# KiCad board MissionOrderFile.kicad_pcb (continued)
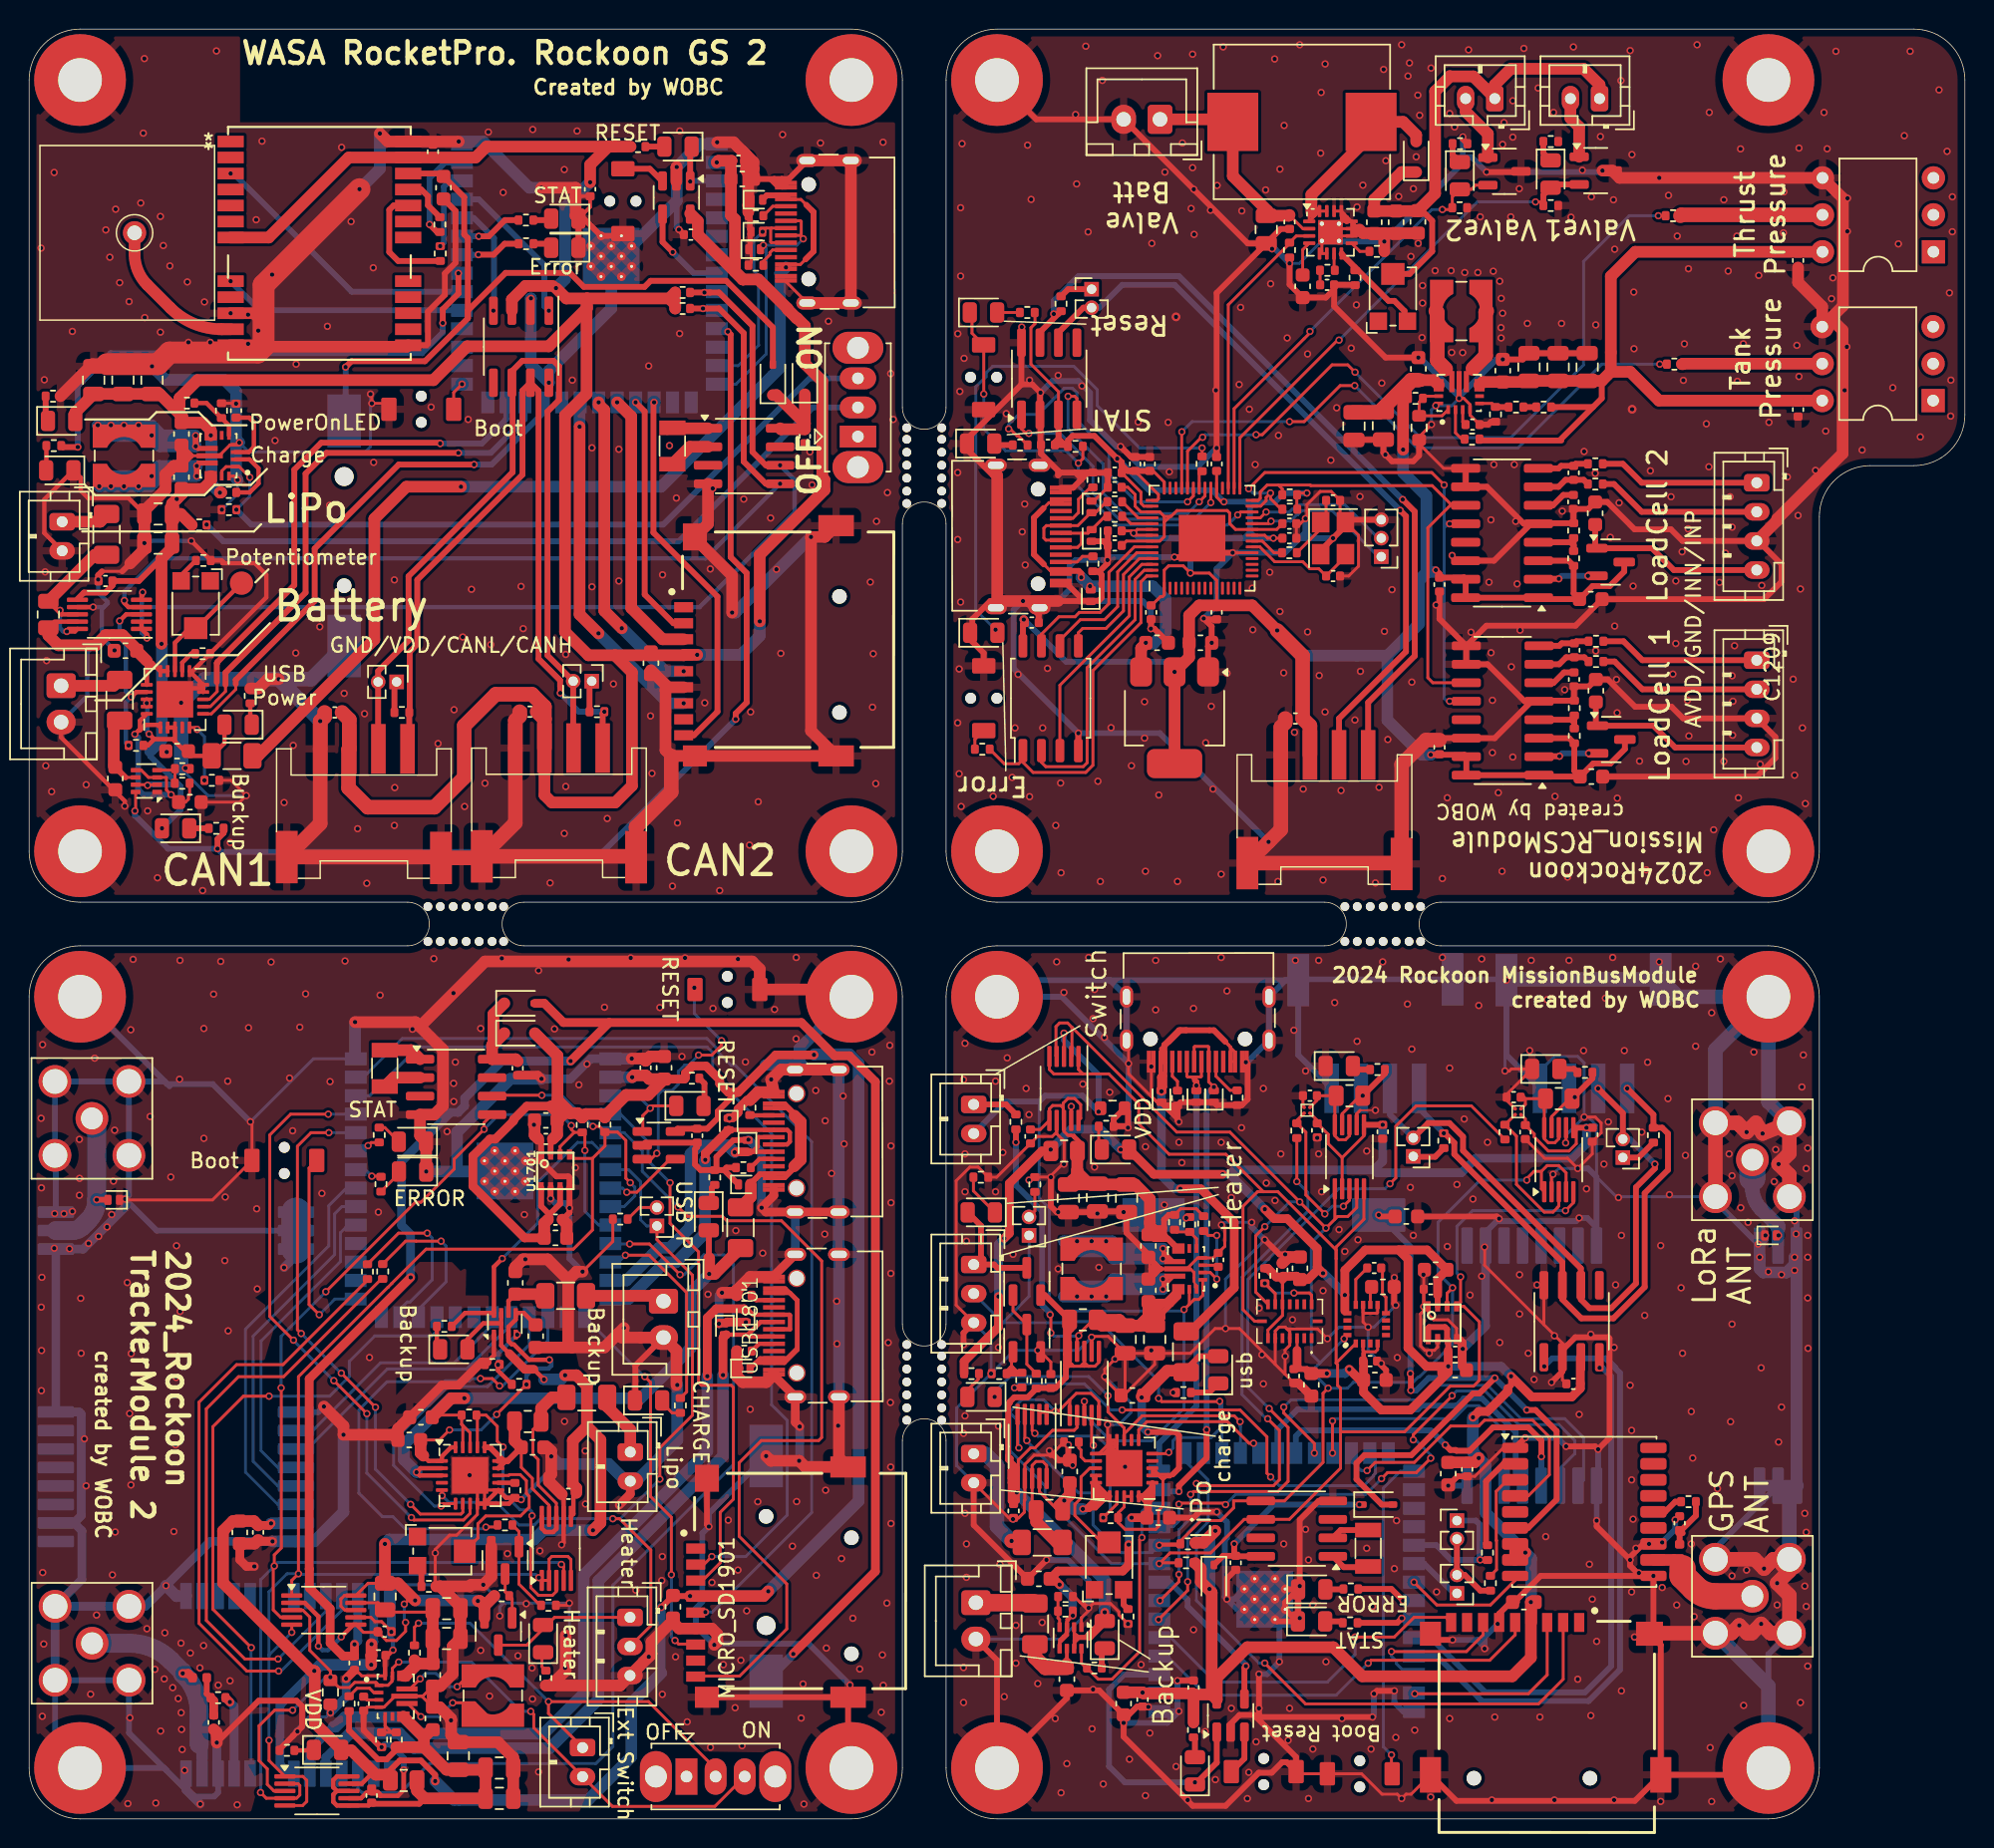
[diagram p0: board, top side]
## Routing (per net, layer and track width the routed paths; a pad name or vN(x,y) marks a point on that pad's centre or on a via; arc(x,y) is an arc through that point) (continued)
  Top w0.4: C2303.1 75.55,7.15 76.12,7.72 v1(76.9,7.7) C2304.2 ; C2303.1 75.2,5.65 79.95,0.9 82.21,0.9 84.48,3.18 85.38,3.18 86.1,3.9 86.4,3.9 SW2301.2 87.05,4.25 84.16,7.14 ; C2303.1 73.52,8.83 C2802.2 71.3,8.3 REF**#4.GND 66.5,10.91 J2801.2 ; 5.01,85.74 4.74,85.47 v1(4.74,85.17) 4.87,85.06 ; v1(78.9,9.5) 78.91,9.51 C2301.1 ; 84.16,7.14 84.3,7 ; 84.16,7.14 83.16,7.14 82.55,6.53 82.55,6 ; 84.3,7 84.5,7.2 v1(84.5,7.6) v1(84.5,9.95) ; 84.3,7 v1(92.3,7) ; C1102.2 85.99,109.27 C1104.2 ; C1102.2 85.09,108.19 85.19,108.19 ; C1102.2 85.03,108.28 v1(85.4,107.9) ; C1102.2 83.72,108.28 J801.2 69.2,116.8 REF**.GND ; C1102.2 81.59,104.87 C911.2 v1(81.59,94.22) ; 72.29,92.05 71.72,91.48 USB901.A1 ; 72.29,92.05 72.29,92.12 71.89,92.53 ; 72.29,92.05 72.77,92.53 R903.2 ; 51.19,112.7 51.72,112.17 52,112.17 ; 51.19,112.7 C203.1 49.77,113.4 ; 51.19,112.7 51.72,112.7 ; U1401.5 102.7,89 100.16,91.55 U1401.10 U1401.9 ; U1401.5 103.74,89.05 R1404.2 106.1,89.06 106.1,90.03 107.12,90.03 C1401.2 108.43,90.5 110.3,88.62 112.8,88.62 113.6,87.83 J1401.3 ; U1401.5 103.19,89 100.65,86.47 U1401.14 ; D2305.1 86.33,15.78 U2303.41 ; D2305.1 86.3,14.89 U2303.41 87.12,13.57 D2306.1 ; D2305.1 87.19,13.59 D2306.1 ; v1(111.6,16.7) 111.6,12.99 MICRO_SD2501.MP4 112.11,11.95 MICRO_SD2501.MP3 ; v1(111.6,16.7) 103.85,16.7 102.22,15.07 102.22,14.9 101.8,14.9 101,14.1 v1(100.9,13.4) MICRO_SD2501.6 ; v1(111.6,16.7) 110.7,16.7 110,17.4 110,18 110.9,18.9 U2601.12 ; MICRO_SD1901.MP4 46.57,20.23 v1(46.7,20.09) ; MICRO_SD2501.MP3 119.03,3.03 REF**#4.GND ; MICRO_SD2501.MP3 110.32,1.24 98.07,1.24 MICRO_SD2501.MP2 ; v1(102.79,26.19) U2601.1 ; 72.19,83.69 72.19,83.98 71.26,84.92 ; 72.19,83.69 v1(68.29,83.69) 68.43,83.69 69.37,82.75 C902.1 ; 72.19,83.69 72.21,83.72 73.49,83.72 73.69,83.92 73.69,85.5 73.5,85.69 ; 47.75,44.59 47.92,44.76 R2101.2 ; 47.75,44.59 R1601.2 ; 47.75,44.59 D2101.1 ; U1301.9 96.9,82.47 C1405.2 ; U1301.9 U1301.10 100.21,79.35 102.75,76.81 U1301.5 ; U1301.9 100.12,82 106.25,82 C1404.2 119.2,83.83 120.4,85.03 120.4,86.22 118.8,87.83 ; v1(70.2,44.1) 70.2,42.1 70.6,41.7 C2815.2 73.35,41.7 C2814.2 75.35,41.75 C2813.2 75.4,40.28 76.9,38.78 C2812.2 76.9,38.58 77.34,38.14 ; 69.49,96.5 69.45,96.55 69.45,97.97 v1(69.49,98.02) 68.92,98.59 68.19,98.59 ; C1304.2 118.7,71.63 119.97,72.91 119.97,74.36 J1301.3 113.65,75.63 112.84,76.43 110.34,76.43 108.47,78.31 C1301.2 107.17,77.83 C1303.2 106.15,76.87 R1304.2 103.78,76.85 U1301.5 ; v1(110,17.8) 107.7,20.1 v1(107.7,20.5) ; C3106.2 93.79,35.41 v1(93.9,35.3) ; 70.2,25 70.4,25 70.75,24.65 C2806.2 71.4,24.75 71.4,25.6 R2804.2 ; R1601.2 47.22,44.71 47.22,45.49 48.37,46.64 v1(49.42,46.68) D2103.1 ; R1601.2 46.14,44.59 45.75,44.97 45.75,46.03 45.9,46.17 C2101.1 42.34,46.47 42.17,46.29 ; C905.2 74.11,86.53 v1(74.09,86.52) 74.09,86.28 73.5,85.69 ; C905.2 73.83,87.8 D903.1 ; C905.2 C910.2 ; 35.18,45.36 35.18,45.2 36.23,44.16 37.06,44.16 37.13,44.08 U1701.5 v1(37.13,41.98) 37.13,41.66 36.64,41.18 36.49,41.33 ; 35.18,45.36 35.04,45.22 U2102.41 ; 35.18,45.36 U1701.1 35.18,46.58 35.03,46.73 ; 48.12,115.22 49.22,114.12 C204.2 ; v1(35.83,42.63) U1701.7 ; v1(104.6,30) 105.34,30.75 105.34,32.21 106.23,33.1 108.5,33.1 108.59,33.02 108.59,26.19 v1(107.8,25.4) 107.6,25.6 v1(105.6,25.6) ; R903.2 71.89,92.53 ; R903.2 73.1,92.52 C909.1 C907.1 ; J2802.3 64.2,33.4 v1(64.2,32.6) ; 90.54,109.79 90.35,109.97 ; v1(98.5,115.6) 98.5,115.44 R1104.2 ; 6.22,42.54 6.27,42.6 v1(6.6,42.6) ; v1(93.8,8.8) 92.6,8.8 v1(92.4,8.6) ; 69.49,96.41 69.49,94.45 C901.1 69.52,93.83 70.69,92.65 70.69,92.34 70.89,92.53 71.89,92.53 ; 78.07,49.03 77.8,49.3 ; 78.07,49.03 78.27,49.03 78.9,48.4 ; 78.07,49.03 R2302.2 ; v1(86.6,106.9) R1101.2 86.6,105.45 C1101.2 89.09,104.55 89.66,105.12 C1103.2 ; v1(84.9,39.8) 85.9,38.8 v1(86.3,38.8) ; MICRO_SD1901.MP2 56.27,3.73 REF**#2.GND ; MICRO_SD1901.MP2 56.4,8.49 v1(56.4,9.2) ; MICRO_SD1901.MP2 MICRO_SD1901.MP1 ; 24.09,1.64 23.93,1.8 23.48,1.8 ; MICRO_SD2501.MP1 96.71,12.3 v1(97.8,12.3) ; 77.68,37.8 77.75,37.8 ; 77.68,37.8 77.34,38.14 ; 77.68,37.8 77.34,37.46 ; C3108.2 93.24,30.84 C3107.2 ; C915.2 77.09,81.81 v1(77.07,81.8) 77.31,81.8 C801.2 ; 92.9,89.28 90.61,89.28 Y901.4 90.44,88.86 v1(89.59,88.02) 88.74,87.17 Y901.2 ; C914.2 C908.2 75.71,93.59 v1(74.99,94.32) ; v1(100.14,113.17) 102.45,113.17 Q1101.3 ; D2306.1 85.72,13.57 U2303.41 ; R1202.2 95.5,93.7 95.1,93.3 93.64,93.3 v1(93.18,93.76) 93.05,93.89 C1202.2 91.05,94.79 C1201.2 ; U301.13 27.3,101.28 27.4,101.38 27.4,103.58 28.56,104.74 28.56,106.21 29.3,106.94 29.3,110.5 C101.1 ; C201.1 44.98,108.88 v1(44.64,109.22) ; 68.19,101.49 68.18,101.48 68.18,98.59 68.19,98.59 ; 77.34,38.14 77.34,38.04 77.1,37.8 77.34,37.56 77.34,37.46 ; 77.34,37.46 76.98,37.1 C2810.2 ; v1(79.5,41.3) 79.56,41.36 R2819.1 ; 78.9,48.4 R2302.2 ; 78.9,48.4 78.9,48 v1(79,47.9) ; Y901.2 88.74,86.94 ; Y901.2 89.11,86.55 ; v1(101.25,100.3) 102.62,100.3 C1206.2 C1207.2 C1208.2 ; C2502.1 82.3,16.52 v1(82.3,15.1) ; 51.72,112.7 52.19,112.7 USB201.S1 ; 51.72,112.7 52,112.42 ; v1(87.3,16) 87.3,20.55 88.6,21.85 89.58,21.85 ; 73.5,85.69 73.44,85.75 R904.2 ; v1(72.09,74.61) U902.4 ; 18.11,5.69 v1(18.44,6.01) ; 18.11,5.69 17.2,4.78 17.2,4.71 ; 18.11,5.69 18.76,6.33 18.76,7.75 18.38,8.12 15.77,8.12 v1(12.9,5.24) ; C2902.2 98.14,23.54 v1(97.5,22.9) ; v1(24.22,4.93) 24.15,4.93 22.98,6.1 C1611.2 ; 10.52,94.28 11.12,93.68 10.52,93.08 10.52,92.98 ; 68.19,98.59 64.44,94.84 64.44,94.12 66.22,92.34 66.52,92.34 ; R1105.2 91.08,105.42 C1103.2 ; v1(69.9,17.8) C2803.2 64.9,20.2 J2805.2 ; R2302.2 79.12,49.25 D2302.1 D2303.1 81.6,49.05 R2301.2 83.32,49.05 83.72,49.45 83.72,51.88 v1(83.6,52) ; R1204.1 100.44,96.02 100.25,95.83 C1204.2 ; v1(101,41.25) 100.85,41.4 C2201.1 ; 41.96,28.55 41.65,28.86 41.65,31.16 43.59,33.1 ; U1301.5 103.23,76.81 100.69,74.27 U1301.14 97.12,74.27 96.94,74.09 ; v1(78.69,86.72) 79.29,86.72 U903.57 81.59,87.02 v1(82.69,87.02) ; D205.1 D206.1 37.75,110.34 U203.41 40.64,108.79 SW201.2 ; 6.41,85.74 6.95,86.28 ; v1(95.45,100.42) 93.2,100.42 89.66,103.97 C1103.2 ; v1(81.6,21.1) 80.4,21.1 80,20.7 C2805.2 ; C912.2 80.77,82.44 v1(80.7,82.5) 81.25,81.95 v1(81.25,80.83) 81,80.58 U801.1 ; SW902.1 65.59,80.11 64.8,80.9 64.8,82.46 66.04,83.69 66.52,83.69 ; R2816.2 74.51,48.08 R2822.2 75.4,47.6 v1(75.5,47.5) 75.5,48.61 R2816.2
  Top w0.6: v1(21.78,9.64) 22.35,10.21 C1803.1 ; C1601.2 28.35,29.81 29.5,29.81 31.09,31.4 31.48,31.4 ; USB1801.A1 51.18,30.47 52.64,29 52.64,27.27 v1(52.94,26.96) ; 98.2,32.97 98.46,32.72 98.46,32.34 v1(98.5,32.3) 98.46,32.26 98.46,31.1 ; USB1801.S1 51.18,37.33 USB1801.A12 ; C1902.1 34.95,51.11 v1(35.2,50.86) ; v1(40.55,21.57) 41.31,22.33 41.31,23.23 ; 48.06,48.19 48.08,48.19 v1(48.11,48.15) 48.16,48.19 48.36,48.19 48.7,48.54 48.7,48.77 49.32,49.39 R2102.2 ; C2001.2 14.48,17.81 14.94,17.35 v1(15.48,17.35) ; v1(16.73,19.07) 15.88,19.07 C2002.2 ; C3101.2 87.2,29.95 C3103.2 ; v1(47.4,34.03) 47.45,34.08 47.89,34.08 47.95,34.15 v1(49.25,34.13) D1802.1 ; USB2101.A1 51.17,42.84 v1(50.33,42) 50.62,41.7 USB2101.S1 USB2101.S1
  Top w0.8: 33.26,1.3 C1614.2 33.26,4.22 32.21,5.28 29.48,5.28 28.99,5.76 28.99,6.76 v1(28.98,6.77) 28.99,6.78 28.99,6.89 28.21,7.68 C1612.2 C1610.2 28.25,9.12 29.1,9.98 29.1,11.87 C1608.2 C1607.2 29.63,14.59 28.24,15.98 ; v1(12.9,5.24) 12.9,5.68 ; v1(29.52,115.28) U301.24 24.65,115.28 v1(24.1,115.83) ; 46.64,91.75 46.64,89 MICRO_SD701.MP4 45.75,88 48.3,85.44 v1(48.3,82.9) ; v1(38.03,37.61) 37.61,37.61 37.04,37.04 ; 31.76,18.71 31.76,16.64 v1(31.2,16.09) 30.38,16.09 30.27,15.98 28.24,15.98 ; 66.52,92.34 66.52,83.69 70.69,83.69 ; USB1801.A12 49.54,37.25 48.61,36.32 ; R601.2 15.76,77.69 16.4,78.33 v1(17.15,78.33) ; C2102.1 42.65,52.39 C2103.2 42.2,52.25 v1(41.41,52.25) ; 93.1,108.97 91.65,108.97 91.4,109.22 ; 93.1,108.97 93.11,108.97 R1102.2 ; 93.1,108.97 C1107.2 ; 15.84,101.17 25.95,101.17 U301.13 ; 15.84,101.17 15.74,101.28 U301.12 ; 15.84,101.17 15.84,103.08 15.45,103.47 v1(13.84,103.47) ; 123.77,103.13 124.62,103.97 124.62,111.38 U1202.6 109.28,112.78 108.78,113.28 v1(108.1,113.28) ; 123.77,103.13 124.6,102.3 124.6,93.83 120.11,89.35 120.11,89.24 J1401.3 ; 123.77,103.13 U1203.6 123.2,103.93 121.54,105.59 C1209.2 ; 34.09,38.45 33.93,38.45 33.41,37.93 C1602.2 ; R1603.2 28.24,15.98 ; C1801.2 12.9,5.94 12.9,5.72 ; v1(36.86,12.61) 36.86,10.19 35.85,9.17 R1612.1 40.61,9.17 J1602.3 v1(42.58,11.14) 42.76,11.32 42.76,12.16 44.17,13.57 44.67,13.08 MICRO_SD1901.6 46.91,13.08 47.28,12.7 47.28,12.17 v1(47.08,11.96) ; 34.98,46.73 34.73,46.98 34.73,47.66 v1(34.69,47.7) 34.73,47.75 C1701.2 ; 43.9,77.77 MICRO_SD701.6 ; 43.9,77.77 42.72,78.94 ; 43.9,77.77 43.72,77.59 43.72,73.45 44.12,73.05 MICRO_SD701.MP1 MICRO_SD701.MP2 53.72,74.78 v1(53.72,88.1) 54.67,88.1 MICRO_SD701.MP3 ; 40.46,33.34 v1(40.86,33.74) ; 40.46,33.34 39.53,32.4 37.3,32.4 ; 40.46,33.34 40.72,33.08 J1601.2 44.47,32.19 44.47,29.82 ; D206.1 37.55,110.17 37.55,112.1 v1(35.19,112.1) ; 49.41,110.9 49.42,110.89 ; 49.41,110.9 49.41,113.04 ; 49.41,110.9 49.41,110.42 ; 49.41,113.04 49.77,113.4 49.26,113.91 49.26,114.36 49.01,114.61 ; 49.41,113.04 49.41,113.16 49.26,113.31 49.26,113.95 ; 49.01,114.61 49.77,113.85 C203.1 ; 49.01,114.61 48.4,115.22 v1(47.27,115.22) ; 34.1,38.45 35.62,38.45 37.04,37.04 ; 48.61,36.32 R1802.2 ; 48.61,36.32 48.45,36.16 v1(47.61,36.16) ; 37.04,37.04 37.04,32.66 37.3,32.4 ; v1(22.4,54.76) 26.54,54.76 26.85,54.45 ; 55.64,29 55.64,24.82 MICRO_SD1901.MP3 53.33,24.19 v1(52.91,24.61) 50.96,24.61 v1(50.64,24.94) ; 5.34,99.97 4.35,99.97 R616.2 ; USB201.S1 USB201.S1 USB201.S1 USB201.S1 ; 35.62,25.53 35.88,25.28 v1(35.88,24.91) 35.88,23.69 35.72,23.54 35.72,23.18 36.6,22.31 ; C1603.2 37.3,32.4 ; 10.52,94.25 10.52,92.98 9.95,92.98 9.37,92.41 9.37,91.35 7.92,89.91 C605.2 v1(7.92,87.68) 7.92,87.25 6.95,86.28 ; R2102.2 50.08,49.95 USB2101.A12 v1(50.98,50.82) 51.17,50.98 51.67,51.5 55.62,51.5 ; 26.85,54.45 31.33,58.92 49.67,58.92 50.2,58.4 SW2101.2 56,57 REF**#2.GND ; 26.85,54.45 28.44,52.86 28.44,49 27.83,48.4 U1901.4 26.86,46.96 27.28,46.54 v1(27.28,44.49) ; 36.64,41.18 36.94,40.89 C1704.2 ; C3104.2 86.52,38.61 C3102.2 ; R1801.2 48.62,31.02 ; 48.62,31.02 48.62,30.42 49.03,30.01 50.64,30.01 USB1801.A1 ; 48.62,31.02 48.69,30.96 ; v1(44.5,113.53) 44.47,113.5 44.47,112.53 ; C1601.2 25.34,26.8 C1605.2 24.98,26.4 v1(21.6,26.4) 21.6,27 v1(20.26,28.34) ; C2001.2 15.48,18.91 15.73,19.17
  Top w1: 96.9,74.14 95.97,74.14 94.3,72.47 J1002.MP 94.24,65.69 J1002.MP v1(85.16,67.14) 86,67.98 J1002.4 86,75.03 86.3,75.33 86.3,75.62 ; 44.12,73.05 44.12,70.57 41.7,68.16 J502.MP 41.64,66.15 31.1,66.15 ; 31.1,66.15 33.41,68.45 J502.4 33.41,75.49 33.7,75.79 33.7,76.09 ; 31.1,66.15 30.99,66.04 J402.MP 28.24,66.1 J402.MP 20,68.4 J402.4 v1(20,75.44) 20.3,75.74 20.3,76.04 ; J2901.2 120.94,44.26 v1(120.2,45) 120.94,45.74 J2901.2 v1(119.1,47.1) 118.64,47.84 v1(118,47.2) 117.36,47.84 J2901.2 J2901.2 ; J2603.2 118.56,17.84 v1(119.2,17.2) 119.84,17.84 J2603.2 120.94,17.04 v1(120.1,16.2) 120.94,15.36 J2603.2 119.64,12.76 v1(119,13.4) 118.36,12.76 118.04,12.76 v1(117.5,13.3) 116.96,12.76 J2603.2 111.37,12.76 MICRO_SD2501.MP4
  Top w1.5: 5.34,99.97 8.84,99.97 9.65,100.78 15.71,100.78 16.11,101.17 16.11,105.41 v1(22.7,112)
  Bottom w0.2: v1(98.25,97.62) 97.75,97.12 v1(96.65,97.12) 96.35,96.83 v1(96.35,95.83) ; U2102.40 19.53,52.24 v1(15.2,47.91) ; v1(20.7,7.3) 20.4,7 19.2,7 18.21,6.01 v1(18.44,6.01) ; v1(106.84,48.23) 106.84,51.96 106.4,52.4 104.8,52.4 103.8,51.4 J2702.4 ; v1(106.84,48.23) 107.12,48.23 107.69,47.66 107.69,44.12 109.05,42.76 J2901.2 ; v1(106.84,48.23) 105.57,46.96 v1(105.57,46.46) ; v1(104.7,44.3) 105.1,44.7 v1(106.4,44.7) ; J2805.2 63.72,24.28 63.72,28.23 v1(66.09,30.6) ; v1(66.09,30.6) 67.69,32.2 v1(69.3,32.2) 72.1,32.2 v1(73,33.1) ; v1(66.09,30.6) 66.09,32.91 J2802.3 ; v1(72.8,14.5) 72.8,14.28 70.88,12.36 J2801.2 ; U1101.17 87.28,106.9 v1(86.6,106.9) ; 101.5,52.5 101.4,52.4 v1(101.4,51.4) ; 14.2,92.14 v1(14.32,92.02) 14.32,91.05 v1(13.24,89.97) ; v1(93.9,35.3) 92.4,33.8 v1(92,33.8) ; v1(32.34,13.95) 32.34,14.56 32.6,14.83 ; v1(81.92,40.82) 82.1,41 v1(84,41) ; 24.78,15.31 25.56,16.09 v1(31.2,16.09) 32.47,14.83 32.6,14.83 ; v1(14.45,94.58) 15.08,93.94 23.09,93.94 23.46,94.31 v1(23.46,97.92) ; v1(92.9,31.3) 92,32.2 v1(92,33.8) ; v1(92,33.8) 90,33.8 v1(89.2,33) ; v1(36.86,12.61) 37.11,12.86 v1(37.11,14.83) 32.6,14.83 ; v1(82.2,33.7) 82.2,37.1 v1(84.9,39.8) 84.9,39.77 ; v1(74.1,27.1) 74.88,27.1 75.7,27.92 75.7,28.6 v1(73.9,30.4) ; v1(14.92,70.33) 12.3,70.33 10.45,72.17 ; 9.65,50.35 REF**#2.GND
  Bottom w0.3: 5.4,83.55 5.4,83.62 4.74,84.28 v1(4.74,85.17) ; 5.4,83.55 4.99,83.15 4.99,81.18 ; 5.4,83.55 5.12,83.28 v1(4.4,83.28) ; v1(11.15,87.83) 8.07,87.83 v1(7.92,87.68) ; v1(25,11.6) 25,12.3 24.7,12.6 24.88,12.78 v1(24.88,12.85) ; v1(35.88,24.91) 35.88,24.01 v1(33.8,21.94) ; J601.2 4,77.17 4,80.19 4.99,81.18 ; 4.99,81.18 v1(5.87,80.31)
  Bottom w0.4: v1(82.3,15.1) 82.8,15.1 U2303.41 ; v1(82.3,15.1) 82.15,15.25 82.15,19.17 82.3,19.32 82.3,20.4 v1(81.6,21.1) ; v1(82.3,15.1) 83,14.4 U2303.41 U2303.41 U2303.41 85.9,13.4 v1(85.9,10.8) 85.9,10.79 85.06,9.95 v1(84.5,9.95) ; v1(78.69,86.72) 74.29,86.72 v1(74.09,86.52) 71.89,86.52 71.49,86.11 71.49,84.49 70.69,83.69 76.51,83.69 77.07,83.14 v1(77.07,81.8) ; 74.1,57.64 67.64,57.64 REF**#4.GND 70.95,56.5 v1(75.54,51.91) 75.54,47.54 v1(75.5,47.5) ; 74.1,57.64 74.26,57.64 USB2301.S1 USB2301.S1 ; 74.1,57.64 J2402.MP ; U1801.10 12.98,1.81 12.71,1.54 11.24,1.54 ; v1(93.8,8.8) 93.8,8 94.42,7.38 U2303.40 ; v1(107.8,25.4) 107.8,23.01 U2901.4 107.7,22.89 v1(107.7,20.5) ; v1(83.6,52) 83.69,52 USB2301.S1 USB2301.S1 86.33,57.64 J2402.MP ; J2702.4 101.5,52.5 v1(101.5,57.64) 101.44,57.7 J2402.MP 87.26,57.7 J2402.MP ; 98.5,114.2 v1(98.5,115.6) ; 98.5,114.2 98.5,113.79 v1(93.11,108.4) 90.05,108.4 U1101.17 ; 98.5,114.2 99.11,114.2 v1(100.14,113.17) 108,113.17 v1(108.1,113.28) ; J2603.2 115.86,18.6 U2901.2 ; v1(106.4,44.7) 107.11,44.7 107.69,44.12 U2901.19 107.69,40.65 107.04,41.3 v1(106.5,41.3) 106.28,41.08 100.82,41.08 ; v1(68.29,83.69) 68.25,83.69 67.64,83.08 67.64,79.06 v1(72.09,74.61) 77.69,74.61 v1(85.16,67.14) ; v1(80.7,82.5) 81.59,83.39 81.59,85.92 v1(82.69,87.02) 86.29,87.02 87.29,88.02 ; U2901.22 121.43,42.27 J2901.2 ; U2001.22 1.84,45.54 J2001.2 J2001.2 J2001.2 ; U2901.11 v1(97.5,22.9) ; v1(78.9,9.5) 78.9,7.5 v1(79,7.4) ; 88.09,88.02 87.69,88.42 ; 88.09,88.02 v1(89.59,88.02) ; 88.09,88.02 87.29,88.02 ; 87.69,88.42 87.29,88.02 ; 87.69,88.42 v1(87.69,89.37) ; v1(35.83,42.63) 36.14,42.32 36.79,42.32 v1(37.13,41.98) 37.13,38.51 v1(38.03,37.61) ; J2001.2 9.32,50.68 ; J2001.2 J2001.2 6.85,42.86 v1(6.6,42.6) 8.77,40.43 U2001.2 ; 9.44,3.34 v1(11.76,1.02) ; 9.44,3.34 9.27,3.5 REF**#2.GND 1.79,5.22 1.79,9.53 J1801.2 6.87,5.91 9.44,3.34 ; v1(79,7.4) 78.98,7.38 U2303.1 ; v1(79,7.4) 78.2,6.6 v1(75.2,6.6) ; 98.25,97.74 100.81,100.3 v1(101.25,100.3) ; 98.25,97.74 v1(98.25,97.62) ; 98.25,97.74 95.57,100.42 v1(95.45,100.42) ; v1(86.6,106.9) 85.6,107.9 v1(85.4,107.9) ; v1(44.64,109.22) 44.5,109.38 44.5,111.19 ; 100.82,41.08 v1(101,41.25) ; 100.82,41.08 100.07,40.32 U2901.13 ; J2901.2 115.86,42.43 U2901.20 118.8,39.31 v1(118.8,39.5) 118.99,39.5 119.3,39.81 v1(119.3,40.1) ; v1(92.3,7) 92.4,7.1 v1(92.4,8.6) ; J2402.MP 87.2,52.5 J2402.4 ; v1(69.49,98.02) 70.29,98.81 72.08,98.81 72.89,98.01 72.89,96.12 74.69,94.32 v1(74.99,94.32) 76.39,92.91 80.29,92.91 v1(81.59,94.22) ; 9.32,50.68 REF**#2.GND ; 9.32,50.68 9.5,50.5 12.62,50.5 v1(15.2,47.91) ; 9.32,50.68 9.65,50.35 ; v1(20.26,28.34) 19.88,27.96 U2001.4 ; v1(112.2,19) 113.09,19.89 v1(113.09,20.55) ; J2603.2 119.5,11.32 REF**#4.GND ; v1(84.9,39.8) 84.8,39.9 84.78,39.9 84,40.68 v1(84,41) ; v1(50.64,24.94) 46.7,21 v1(46.7,20.09) 46.25,19.64 46.25,14.92 45.81,14.48 45.81,13.22 v1(47.08,11.96) 47.15,12.03 53.56,12.03 v1(56.4,9.2) ; v1(24.22,4.93) 24.38,5.1 24.84,5.1 25.74,4.2 v1(25.74,3.36) ; v1(69.9,17.8) 71.37,17.8 72.8,16.37 v1(72.8,14.5) ; v1(79.5,41.3) 77.45,41.3 BT2201.2 77.06,41.7 v1(75.2,41.7) ; v1(102.79,26.19) 105.01,26.19 v1(105.6,25.6) ; v1(97.8,12.3) 99.5,12.3 100.1,11.7 v1(100,11.7) 100,12.5 v1(100.9,13.4)
  Bottom w0.6: 24.78,15.31 24.78,14.03 24.88,13.93 v1(24.88,12.85) ; U2001.3 18.34,38.71 v1(17.52,37.89) ; v1(52.91,24.61) 52.94,24.65 v1(52.94,26.96) ; v1(20.7,7.3) 21.78,8.38 v1(21.78,9.64) ; U2901.13 100.07,33.87 v1(98.5,32.3) ; 1.79,14.61 3.62,16.45 3.62,19.8 3.08,20.34 ; 1.79,14.61 1.79,9.53 ; 1.79,14.61 J1801.2 7.98,14.61 v1(9.41,16.03) 12.45,19.07 v1(16.73,19.07) ; 3.08,20.34 U2001.13 ; 3.08,20.34 3.59,20.84 3.59,27.81 3.44,27.96 U2001.19 U2001.20 3.72,39.16 6.6,42.04 v1(6.6,42.6) ; 10.78,3.11 10.78,1.99 v1(11.76,1.02) ; v1(47.4,34.03) 47.4,35.95 v1(47.61,36.16) ; 12.88,3.11 12.9,3.12 v1(12.9,5.24) ; v1(50.33,42) 50.33,45.78 v1(49.42,46.68) ; v1(35.2,50.86) 37.21,50.86 38.59,52.24 U2102.1 ; USB2101.S1 52.64,41.69 USB1801.S1
  Bottom w0.8: v1(21.6,26.4) 21.6,21.09 19.58,19.07 U2001.11 v1(16.73,19.07) ; v1(41.41,52.25) 41.39,52.24 U2102.1 ; 55.64,29 55.64,39.28 55.62,39.3 ; 29.4,44.49 30.62,44.49 U2102.41 ; 29.4,44.49 v1(27.28,44.49) ; 29.4,44.49 29.4,47.19 33.07,50.86 v1(35.2,50.86) ; v1(48.3,82.9) 48.52,82.9 v1(53.72,88.1) ; U203.41 44.5,111.19 v1(44.5,113.53) 46.08,115.11 U203.1 ; 14.22,94.81 v1(14.22,97.26) 14.22,98.1 13.42,98.9 9.37,98.9 v1(8.45,99.83) ; 14.22,94.81 14.22,92.12 v1(14.32,92.02) ; 14.22,94.81 v1(14.45,94.58) ; J1605.2 41.71,23.21 44.53,26.03 v1(44.53,29.82) ; v1(22.4,54.76) 22.4,52.28 U2102.40 ; v1(34.48,104.5) 34.47,104.49 34.47,99.94 v1(35.71,98.7) 35.71,99.52 40,103.8 U203.41 ; v1(35.19,112.1) 34.37,112.1 31.2,115.28 v1(29.52,115.28) 29.69,115.11 29.74,115.11 ; v1(35.88,24.91) 36.39,24.39 38.78,24.39 38.78,24.4 39.81,24.4 40.98,23.23 41.31,23.23 ; U2901.3 U2901.1 121.43,38.47 v1(121.3,38.6) 121.3,38.1 120.75,37.55 119.15,37.55 118.9,37.8 v1(118.9,38.6) ; USB1801.S1 55.62,38.81 55.62,39.3 ; v1(22.7,112) 24.1,113.4 v1(24.1,115.83) ; 50.59,51.81 52.31,51.81 52.62,51.5 ; 10.78,15.31 10.12,15.31 v1(9.41,16.03) ; 55.62,39.3 USB2101.S1 55.62,51.5 53.41,51.5 52.92,51.98 52.92,52.92 REF**#2.GND
  Bottom w1: v1(17.15,78.33) 20,75.47 v1(20,75.44) ; v1(17.15,78.33) 19.37,78.33 BT101.2 ; v1(17.15,78.33) 12.06,78.33 v1(10.45,76.7) 10.45,72.17 ; REF**#4.GND 115.86,52.86 J2901.2 ; REF**#4.GND 119.5,49.28 J2901.2 ; REF**#4.GND 113.3,56.5 J2702.MP 101.56,57.7 v1(101.5,57.64) ; REF**#4.GND 119.5,9.12 J2603.2 ; U2901.1 120.94,22.41 J2603.2
  Bottom w2: U2001.1 U2001.2 U2001.3
  vias: v1(0.82,107.95) v1(0.82,48.15) v1(0.84,43.37) v1(0.84,35.17) v1(0.84,29.43) v1(0.93,53.21) v1(0.88,37.22) v1(0.86,32.19) v1(0.93,16.93) v1(0.91,7.05) v1(1.05,98.9) v1(1,12.02) v1(1.1,85.7) v1(1.14,72.38) v1(1.2,79.6) v1(1.55,70.6) v1(1.72,113.15) v1(1.73,39.22) v1(1.75,41.6) v1(2.4,41.59) v1(2.77,39.18) v1(2.97,102.22) v1(2.98,41.75) v1(3.45,46.7) v1(3.47,44.02) v1(3.45,42.86) v1(3.55,35.78) v1(3.58,32) v1(3.8,26.12) v1(3.92,71.08) v1(3.91,22.89) v1(4.09,39.55) v1(4.23,8.57) v1(4.51,52.28) v1(4.63,14.01) v1(4.77,40.03) v1(5.27,109.2) v1(5.35,40.68) v1(5.55,107.33) v1(5.67,41.53) v1(5.73,16.77) v1(5.8,43.83) v1(5.95,110.62) v1(5.88,47.33) v1(5.91,19.72) v1(6.22,105.58) v1(6.74,36.86) v1(6.78,1.05) v1(6.87,104.28) v1(6.91,27.86) v1(6.92,6.95) v1(6.98,54.23) v1(7.02,31.98) v1(6.99,22.95) v1(7.15,59.07) v1(7.67,111.05) v1(7.84,115.85) v1(7.92,120.97) v1(7.95,103.17) v1(8.15,69.28) v1(8.09,13.07) v1(8.31,48.27) v1(8.65,10.28) v1(8.7,1.09) v1(8.82,64.67) v1(9.02,110.12) v1(9.02,102.17) v1(9.03,6.04) v1(9.22,108.12) v1(9.33,12.79) v1(9.28,9.62) v1(9.67,106.72) v1(9.73,44.11) v1(9.95,19.75) v1(9.87,9.02) v1(10.12,39.39) v1(10.09,30.34) v1(10.06,25.71) v1(10.24,8.27) v1(10.34,50.83) v1(10.37,59) v1(10.38,34.88) v1(10.44,12.08) v1(10.45,7.3) v1(10.48,6.15) v1(10.52,4.77) v1(10.69,3.34) v1(10.87,105.62) v1(10.95,101.47) v1(11.08,11.4) v1(11.73,10.38) v1(11.92,63.8) v1(12.05,104.25) v1(12.01,54.32) v1(12.01,46.77) v1(11.98,11.91) v1(12.45,101.47) v1(12.67,56.68) v1(12.87,121.5) v1(12.99,9.19) v1(13.16,58.93) v1(13.45,38.37) v1(13.48,42.74) v1(13.65,50.7) v1(13.67,33.54) v1(13.82,67.1) v1(13.8,9.49) v1(14.3,0.97) v1(15.05,103.38) v1(15.05,101.38) v1(15.08,54.37) v1(15.6,109.9) v1(15.63,41.93) v1(15.74,102.28) v1(15.67,36.42) v1(16,115.3) v1(16.62,58.89) v1(16.7,106.12) v1(16.9,94.72) v1(17.52,69.85) v1(17.9,50.91) v1(18.15,73.78) v1(18.1,47.29) v1(18.34,99.97) v1(18.32,80.12) v1(18.59,54.41) v1(18.99,56.7) v1(19.97,81.92) v1(20.12,42.99) v1(20.49,102.58) v1(20.65,90.28) v1(20.67,50.67) v1(21.47,114.88) v1(21.65,77.35) v1(21.7,58.96) v1(22.12,109.78) v1(22.57,68.05) v1(23.05,75.95) v1(23.2,64.3) v1(23.38,31.71) v1(23.65,106.6) v1(23.67,93.22) v1(23.99,41.7) v1(24.12,56.61) v1(25.09,85.15) v1(25.12,70.88) v1(25.09,68.28) v1(26.34,54.27) v1(27.62,97.03) v1(27.8,59.12) v1(28.09,73.9) v1(28.72,47.24) v1(29.2,76.22) v1(29.16,56.75) v1(29.16,50.55) v1(29.17,49.3) v1(29.28,52.01) v1(29.8,81.22) v1(29.92,69.58) v1(30.17,96.17) v1(30.4,84.5) v1(31.02,54.32) v1(31.02,11.58) v1(31.32,71.17) v1(31.55,115.92) v1(31.63,8.44) v1(31.72,80.7) v1(32.48,59.14) v1(32.57,111.78) v1(32.87,18.23) v1(33.59,11.21) v1(33.8,84.7) v1(33.95,81.8) v1(34.03,41.53) v1(34.09,38.46) v1(34.16,14.79) v1(34.6,116.1) v1(34.56,10.37) v1(34.58,8.24) v1(35,58.3) v1(35,3.23) v1(35.09,18.42) v1(35.8,64.33) v1(36.09,54.29) v1(36.77,113.35) v1(36.77,67.72) v1(36.78,27.32) v1(36.83,10.38) v1(36.87,80.03) v1(36.87,70.95) v1(37.06,59.06) v1(37.32,98.88) v1(37.53,44.75) v1(37.65,116) v1(37.78,50.45) v1(38.2,25.29) v1(38.22,21.64) v1(38.33,51.88) v1(38.67,94.22) v1(38.67,84.67) v1(39.53,55.78) v1(39.72,68.75) v1(40.14,78) v1(40.52,94.12) v1(40.52,85.08) v1(41.33,59.17) v1(41.69,15.72) v1(42.57,99.85) v1(42.69,75.8) v1(42.8,71.85) v1(43.33,55.76) v1(43.52,85.5) v1(43.5,18.03) v1(43.47,16.38) v1(43.5,8.56) v1(44.2,64.1) v1(44.42,11.14) v1(44.47,90.78) v1(44.55,68.45) v1(44.7,116) v1(44.69,102.08) v1(44.86,52.39) v1(45.06,59.17) v1(45.22,6.67) v1(46.42,76.7) v1(46.64,36.05) v1(46.8,85.9) v1(46.81,4.92) v1(46.92,16.25) v1(46.97,91.43) v1(46.98,55.7) v1(47.44,63.8) v1(47.7,10.6) v1(48.03,20.53) v1(48.5,7.64) v1(48.56,40.43) v1(48.7,59.09) v1(48.7,17.1) v1(48.9,10.9) v1(48.98,5.03) v1(49.1,90.7) v1(49.22,52.02) v1(49.3,14.3) v1(49.5,66.92) v1(49.55,28.15) v1(49.57,76.08) v1(50.09,69.9) v1(50.06,21.8) v1(50.41,38.88) v1(50.94,89.4) v1(51.22,55.63) v1(51.34,85.88) v1(51.64,80.1) v1(51.77,115.75) v1(52.44,18.74) v1(52.7,59.2) v1(52.69,53.61) v1(52.73,21.81) v1(53.05,6.93) v1(53.17,9.27) v1(53.23,1.02) v1(53.64,93.95) v1(53.8,91.67) v1(54.05,50.06) v1(54.08,16.74) v1(54.37,115.17) v1(54.69,47.98) v1(54.67,40.19) v1(54.72,22.59) v1(54.78,11.74) v1(54.92,102.92) v1(55.14,44.36) v1(55.48,35.58) v1(55.5,32.65) v1(55.58,27.02) v1(55.81,17.89) v1(55.92,49.68) v1(56,46.39) v1(56.59,13.79) v1(57.06,10.3) v1(57.8,85) v1(57.94,76.4) v1(57.91,52.7) v1(58,80.08) v1(58.22,89.17) v1(58.17,71.15) v1(58.55,7.33) v1(58.62,11.27) v1(58.67,115.22) v1(58.69,9.18) v1(58.94,14.83) v1(58.97,91.15) v1(59.03,32.73) v1(59.14,53.16) v1(59.11,50.7) v1(59.19,99.33) v1(59.22,46.25) v1(59.22,42.35) v1(59.2,37.49) v1(59.17,28.62) v1(59.19,24.18) v1(59.22,20.3) v1(59.37,96.17) v1(63.81,102.07) v1(63.8,92.53) v1(63.8,87.92) v1(63.8,75.33) v1(63.95,98.1) v1(63.9,79.03) v1(63.9,71.83) v1(64,110.72) v1(64,106.03) v1(64,83.62) v1(64.04,69.58) v1(64.1,115.12) v1(64.24,100.38) v1(64.2,50.8) v1(64.2,26.5) v1(64.2,10.4) v1(64.2,8) v1(64.3,53.3) v1(64.3,45.7) v1(64.3,43.1) v1(64.3,27.7) v1(64.3,21) v1(64.4,39.7) v1(64.4,18.9) v1(64.4,16.6) v1(66.24,70.28) v1(66.4,50.7) v1(66.4,43.1) v1(66.6,32.4) v1(66.6,27) v1(66.7,17.5) v1(66.9,45.8) v1(67,8.4) v1(67.14,96.58) v1(67.2,52.3) v1(67.54,71.58) v1(67.6,38.8) v1(67.6,20.6) v1(67.74,74.97) v1(67.8,13.3) v1(67.8,10.7) v1(67.95,78.66) v1(68.2,102.53) v1(68.23,88.45) v1(68.4,90.36) v1(68.44,86.17) v1(68.5,50.2) v1(68.6,115.03) v1(68.74,98.88) v1(68.74,70.25) v1(68.7,48.4) v1(68.7,43.9) v1(68.85,111.3) v1(69.3,9.3) v1(69.64,74.97) v1(69.6,13.5) v1(69.97,79.07) v1(70.1,25.3) v1(70.54,68.28) v1(70.5,6.9) v1(70.6,58.9) v1(70.7,99.2) v1(70.7,41.7) v1(70.7,37.8) v1(70.87,71.19) v1(70.9,65.03) v1(70.9,1.8) v1(71.1,56.8) v1(71.1,45) v1(71.3,3.8) v1(71.4,25.7) v1(71.7,24.3) v1(71.9,117.12) v1(71.97,112.36) v1(72.34,98.47) v1(72.4,50.5) v1(72.6,121.83) v1(72.76,109.06) v1(72.8,59.2) v1(73.03,6.19) v1(73.1,55) v1(73.1,8.9) v1(73.2,57) v1(73.2,44.8) v1(73.43,71.31) v1(73.4,41.6) v1(73.5,37.9) v1(73.6,64.42) v1(73.74,119.47) v1(73.8,2.4) v1(73.88,53.71) v1(74.24,49.94) v1(74.33,74.99) v1(75.3,24.2) v1(75.6,4.1) v1(75.74,72.38) v1(76.2,96) v1(76.4,10.6) v1(76.64,76.78) v1(76.64,74.28) v1(76.7,65.12) v1(76.7,46.2) v1(76.7,1.6) v1(77,5.9) v1(77.14,108.28) v1(77.4,59) v1(77.4,55.6) v1(77.54,121.17) v1(77.62,70.36) v1(78.04,113.17) v1(78,42.2) v1(78.26,95.97) v1(78.34,92.58) v1(78.6,29.3) v1(78.8,3.6) v1(78.9,64.42) v1(79,46.5) v1(79.24,115.17) v1(79.2,45.1) v1(79.6,1.3) v1(79.84,110.67) v1(79.94,121.28) v1(79.94,113.47) v1(80.02,112) v1(80.04,108.89) v1(80,55.7) v1(80,13) v1(80.84,73.95) v1(80.8,6) v1(81.17,110.55) v1(81.22,76.46) v1(81.34,70.78) v1(81.54,98.17) v1(81.5,2.7) v1(81.62,112.26) v1(81.9,64.92) v1(81.9,59.2) v1(81.9,46.5) v1(82.04,121.78) v1(82.3,78.73) v1(82.3,56.9) v1(82.6,42.7) v1(82.6,7.6) v1(83.14,98.58) v1(83.24,103.88) v1(83.32,110.51) v1(83.3,47.5) v1(83.7,1.4) v1(83.84,96.88) v1(83.8,3.2) v1(84.04,84.58) v1(84.08,81.72) v1(84.24,93.08) v1(84.3,5.3) v1(84.5,35.1) v1(84.7,31.9) v1(84.8,50.2) v1(84.8,29.9) v1(84.96,111.95) v1(85,43.7) v1(85.24,85.67) v1(85.3,105.5) v1(85.57,120.95) v1(85.6,42.5) v1(85.84,95.08) v1(85.8,64.42) v1(85.94,113.38) v1(85.94,82.97) v1(86,45.7) v1(86.23,116.38) v1(86.2,78.76) v1(86.2,18.9) v1(86.3,31.8) v1(86.44,101.78) v1(86.5,5.4) v1(86.6,7.6) v1(86.8,34.3) v1(86.94,74.67) v1(86.9,54.2) v1(87,59) v1(87.3,121.92) v1(87.3,13.8) v1(87.54,70.78) v1(87.7,51.4) v1(87.7,19.9) v1(87.84,100.67) v1(87.84,81.58) v1(87.9,17.8) v1(87.9,1.4) v1(88.2,14.7) v1(88.2,4.8) v1(88.5,46.8) v1(88.64,78.58) v1(88.6,59) v1(88.6,45.7) v1(88.74,114.47) v1(88.77,118.65) v1(88.8,43.1) v1(88.9,64.53) v1(88.9,36.3) v1(89.04,120.61) v1(89.04,76.08) v1(89.1,10.8) v1(89.44,93.38) v1(89.7,56.1) v1(89.84,96.97) v1(90,40.5) v1(90.14,70.67) v1(90.2,6.9) v1(90.4,39) v1(90.84,101.08) v1(91.09,75.52) v1(91.24,110.78) v1(91.19,104.05) v1(91.24,53.44) v1(91.3,39.8) v1(91.44,90.88) v1(91.47,78.86) v1(91.64,112.28) v1(91.9,45.9) v1(91.9,18.6) v1(92.2,4.8) v1(92.3,14.6) v1(92.5,64.33) v1(92.75,70.89) v1(92.94,98.67) v1(93,58.9) v1(93.06,120.23) v1(93.12,81.61) v1(93.22,113.96) v1(93.35,74.18) v1(93.64,84.47) v1(93.8,37.2) v1(93.8,17.2) v1(93.95,20.5) v1(93.9,5.6) v1(94,31.7) v1(94.1,111.5) v1(94.3,121.92) v1(94.74,119.78) v1(94.7,56) v1(94.84,120.67) v1(94.94,107.38) v1(94.9,43.4) v1(95,78.12) v1(95,52.9) v1(95.11,112.03) v1(95.1,40.1) v1(95.2,6.1) v1(95.3,114.22) v1(95.41,118.46) v1(95.44,108.28) v1(95.54,117.08) v1(95.74,105.38) v1(95.74,104.17) v1(95.7,101.8) v1(95.8,37.4) v1(95.82,35.2) v1(96.2,32) v1(96.32,120.32) v1(96.3,1.5) v1(96.6,106.4) v1(96.67,83.42) v1(96.7,15.6) v1(97.1,64.62) v1(97.1,59.2) v1(97.44,70.17) v1(97.44,39.34) v1(97.6,117.2) v1(97.6,51.6) v1(97.6,6.9) v1(97.7,106.4) v1(97.74,100.78) v1(97.77,86.83) v1(97.94,116.28) v1(98.1,43.6) v1(98.49,100.77) v1(98.64,106.28) v1(98.6,48.1) v1(98.9,121.58) v1(99,36) v1(99.07,81.55) v1(99.2,42.6) v1(99.54,106.28) v1(99.6,55.9) v1(99.7,110.1) v1(99.8,59.1) v1(99.8,37.3) v1(100.2,46.5) v1(100.31,84.99) v1(100.44,89.28) v1(100.44,80.15) v1(100.54,76.88) v1(100.54,73.28) v1(100.5,1.3) v1(100.59,106.36) v1(100.64,93.08) v1(100.7,7) v1(100.94,70.53) v1(101.04,105.67) v1(101.04,32.74) v1(101.14,104.5) v1(101.13,102.48) v1(101.14,101.78) v1(101.24,115.08) v1(101.24,103.47) v1(101.2,65.12) v1(101.34,116.58) v1(101.8,110.1) v1(101.84,79.17) v1(101.94,118.08) v1(101.94,115.58) v1(101.94,72.97) v1(102.04,93.08) v1(102.14,89.17) v1(102.24,84.88) v1(102.38,112.03) v1(102.44,81.69) v1(102.4,37.4) v1(102.4,34.7) v1(102.7,121.67) v1(102.94,102.78) v1(103,32) v1(103.1,52.8) v1(103.2,59) v1(103.4,30.2) v1(103.6,36.7) v1(103.68,118.95) v1(103.8,7) v1(104.2,19.4) v1(104.3,56.3) v1(104.74,117.28) v1(104.84,70.28) v1(104.8,33.2) v1(104.8,1.3) v1(105.29,102.77) v1(105.34,89.88) v1(105.5,77.6) v1(105.7,64.72) v1(105.8,59) v1(105.94,110.08) v1(106.1,121.78) v1(106.4,9.6) v1(106.5,27.8) v1(106.72,113.3) v1(106.84,93.97) v1(106.8,52.8) v1(107,43.3) v1(107.2,17.5) v1(107.34,111.47) v1(107.3,33.3) v1(107.3,7.1) v1(107.4,15.1) v1(107.64,102.67) v1(107.6,92.47) v1(107.64,80.28) v1(107.7,12.2) v1(107.96,115.61) v1(108.2,45) v1(108.3,56.4) v1(108.5,47.9) v1(108.64,88.08) v1(108.8,59.2) v1(108.86,111.27) v1(108.94,107.88) v1(108.94,81.97) v1(108.9,32.4) v1(108.9,1.3) v1(109,36.7) v1(109.06,78.3) v1(109.11,76.01) v1(109.12,70.15) v1(109.24,90.45) v1(109.2,42.7) v1(109.37,119.46) v1(109.4,40.1) v1(109.4,8.8) v1(109.6,52.8) v1(110,121.53) v1(110,29.8) v1(110.12,114.38) v1(110.1,26.7) v1(110.1,23.3) v1(110.1,15.6) v1(110.25,104.93) v1(110.2,84.72) v1(110.2,20.6) v1(110.27,101.04) v1(110.3,12.5) v1(110.4,18.6) v1(110.65,72.69) v1(110.6,16.9) v1(110.8,47.2) v1(111,34.6) v1(111.1,65.22) v1(111.2,52) v1(111.3,18.9) v1(111.39,92.65) v1(112,112.78) v1(112,58.9) v1(112.1,39.4) v1(112.1,1.2) v1(112.2,15.9) v1(112.64,111.58) v1(112.6,49.5) v1(112.7,42.9) v1(112.81,90.86) v1(112.94,78.67) v1(113.14,85.08) v1(113.14,80.78) v1(113.24,108.78) v1(113.2,14.7) v1(113.5,36.5) v1(113.57,87.08) v1(113.6,32) v1(113.73,101.37) v1(113.66,98.86) v1(113.84,72.67) v1(113.8,45.6) v1(113.94,76.88) v1(114.01,106.53) v1(113.98,88.66) v1(114.04,74.43) v1(114.2,28) v1(114.2,18.9) v1(114.3,24.8) v1(114.4,13.9) v1(114.5,58.6) v1(114.5,53.1) v1(114.6,121.92) v1(115.24,95.88) v1(115.3,65.03) v1(115.44,117.28) v1(115.41,92.92) v1(115.5,4.9) v1(115.6,55.4) v1(115.6,1.2) v1(115.74,67.97) v1(116,22.7) v1(116.14,84.97) v1(116.2,59.1) v1(116.44,111.28) v1(116.44,72.67) v1(116.55,86.99) v1(116.74,106.38) v1(116.8,45.7) v1(116.86,90.86) v1(116.9,27.3) v1(117,88.77) v1(117,78.56) v1(117.04,74.47) v1(117,44.2) v1(117,34) v1(117,16.7) v1(117.06,76.81) v1(117.17,80.63) v1(117.34,108.78) v1(117.37,98.79) v1(117.44,70.17) v1(117.58,114.77) v1(117.6,42) v1(117.78,101.37) v1(117.8,7.8) v1(118,17.1) v1(118.1,41) v1(118.5,52.7) v1(118.84,106.08) v1(118.94,72.47) v1(119.04,84.77) v1(119,31) v1(119.54,95.97) v1(119.5,37.6) v1(119.9,43.8) v1(120,46) v1(120.1,14.7) v1(120.2,25.9) v1(120.4,37.4) v1(120.4,28.3) v1(120.53,109) v1(120.56,111.81) v1(120.8,92.22) v1(121.2,78.33) v1(121.3,71.72) v1(121.3,41.1) v1(121.3,37.7) v1(121.4,40.2) v1(121.46,101.27) v1(121.54,89.58) v1(121.6,114.83) v1(121.6,99.12) v1(121.7,84.53) v1(121.7,8) v1(121.84,74.97) v1(121.8,50.3) v1(121.9,52.5) v1(122.04,69.78) v1(122,21) v1(122,16) v1(122.1,44.7) v1(122.1,19.7) v1(122.1,14.6) v1(122.2,46.1) v1(122.2,40.1) v1(122.2,38.6) v1(122.2,35.8) v1(122.22,32.34) v1(122.2,10.5) v1(122.74,92.67) v1(123.32,117.28) v1(123.44,95.38) v1(123.54,114.78) v1(123.84,104.47) v1(123.93,105.91) v1(124.14,121.47) v1(124.74,98.17) v1(124.94,111.38) v1(124.93,109.1) v1(124.89,101.17) v1(125.94,94.08) v1(128.05,98.36) v1(128.43,108.24) v1(128.84,115.67) v1(129.24,121.47) v1(129.94,94.97) v1(131.22,118.82) v1(131.78,114.6) v1(131.94,104.88) v1(132.04,98.88) v1(132.02,96.4) v1(132.14,111.47) v1(132.14,109.08) v2(78.8,103.22) v2(110.14,96.88)
